# KiCad board Proyecto-KiCAD.kicad_pcb
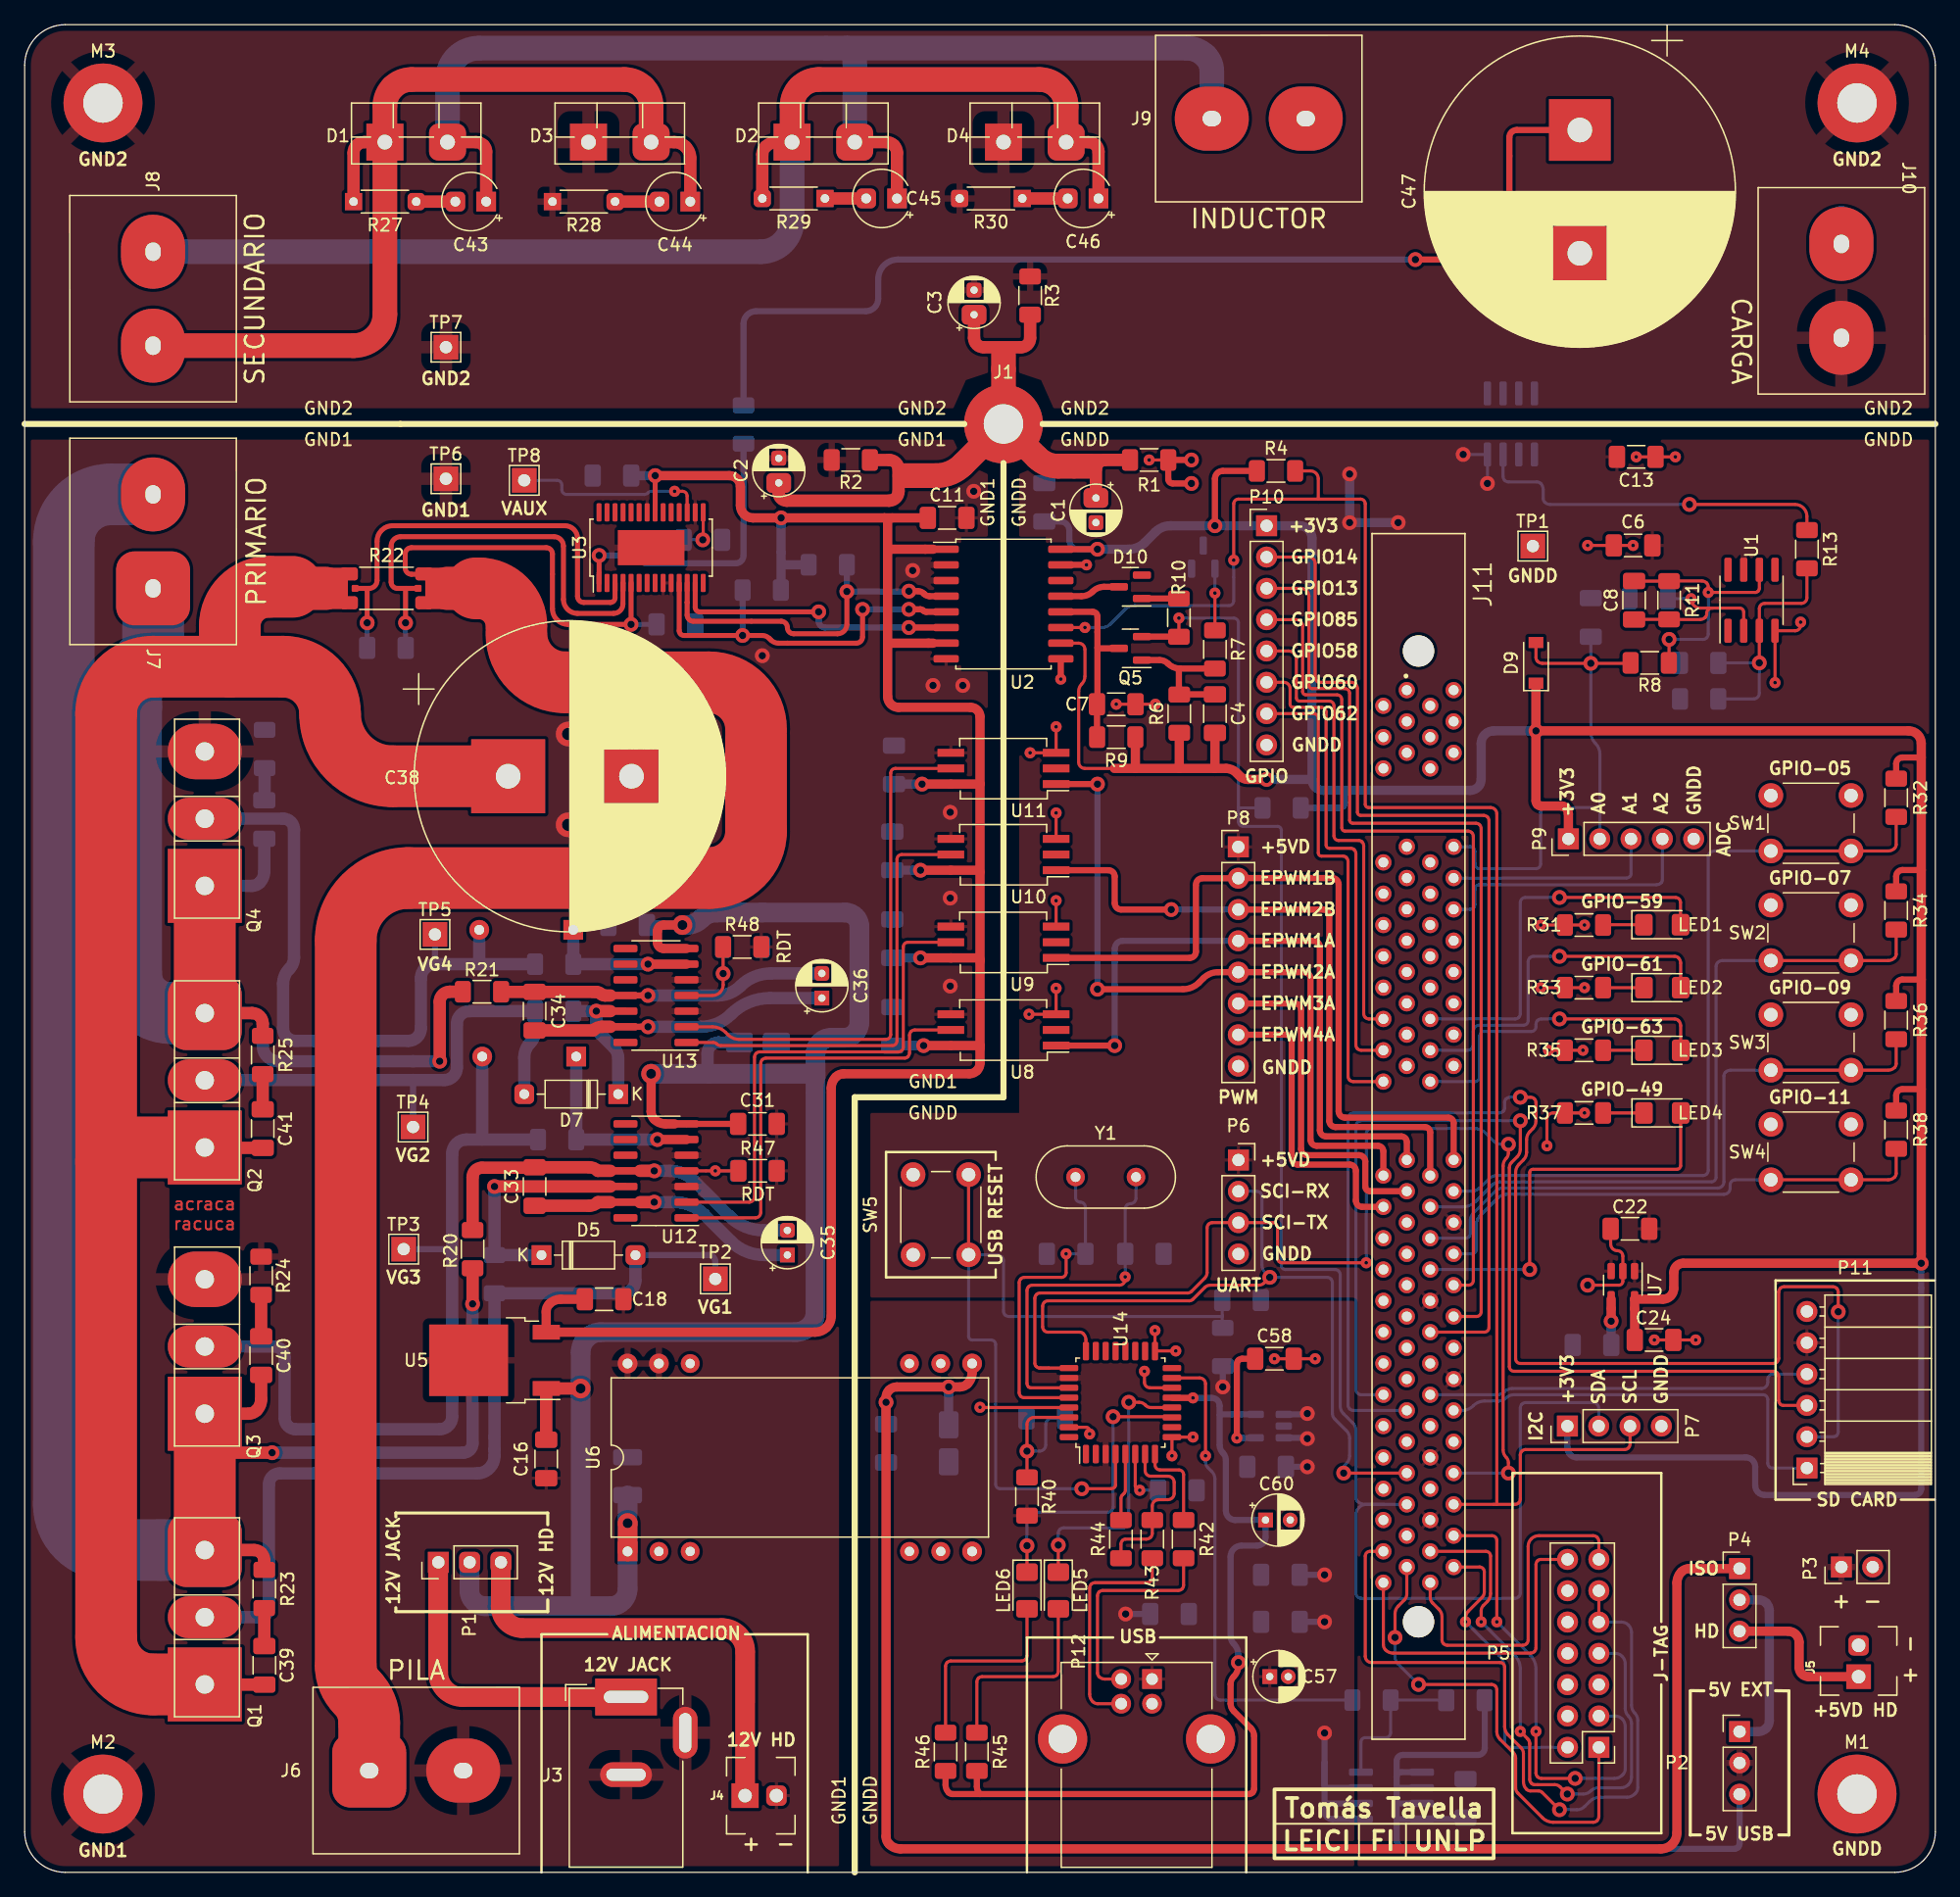
[diagram p0: board, top side]
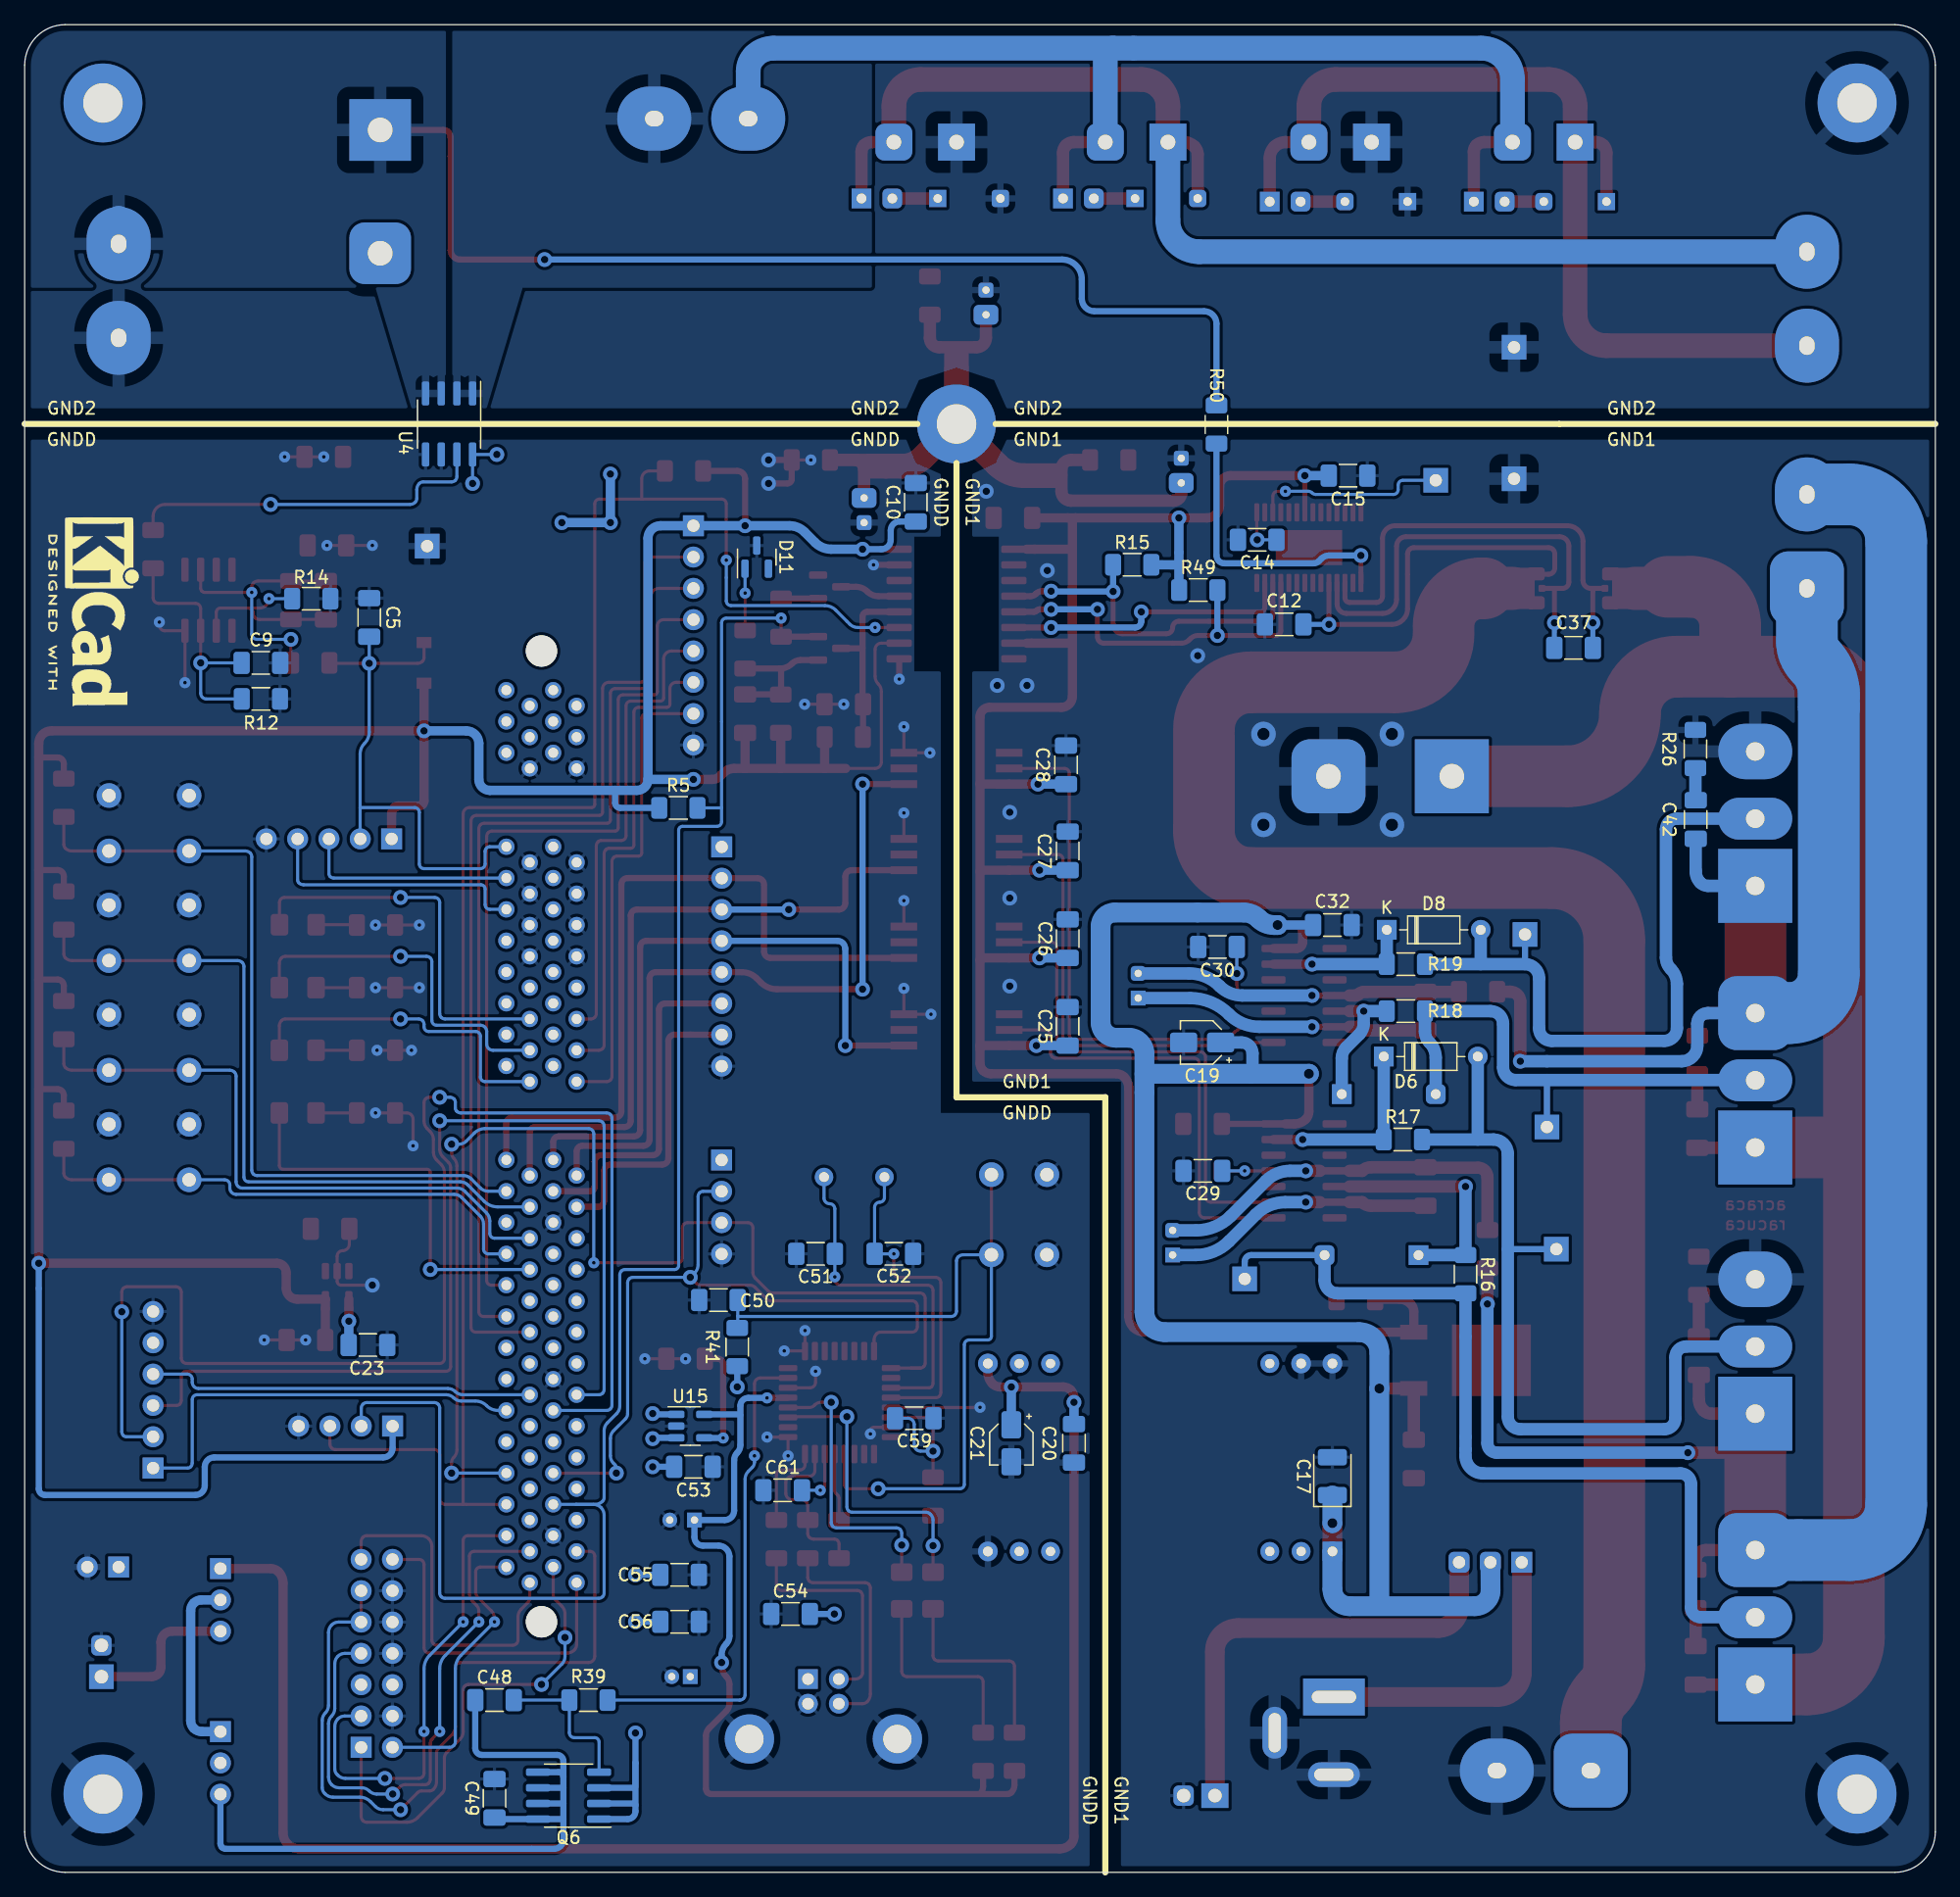
[diagram p1: board, bottom side, seen from below]

Outline 154.94 x 149.86 mm; copper layers: Top, Bottom. Coordinates in mm from the lower left corner of the outline.
Outline path: 0,146.56 0,3.3 arc(0.97,0.97) 3.3,0 151.64,0 arc(153.97,0.97) 154.94,3.3 154.94,146.56 arc(153.97,148.89) 151.64,149.86 3.3,149.86 arc(0.97,148.89) 0,146.56
Stack: Top 0.035mm / dielectric 1.51mm FR4 er 4.5 / Bottom 0.035mm

## Placement (name value [footprint] x y rotation side)
C1  C  [CP_Radial_D4.0mm_P2.00mm]  86.87 111.47 270 top
C2  C  [CP_Radial_D4.0mm_P2.00mm]  61.15 112.69 90 top
C3  C  [CP_Radial_D4.0mm_P2.00mm]  76.99 126.33 90 top
C4  1nF  [C_1206_3216Metric_Pad1.33x1.80mm_HandSolder]  96.52 93.98 90 top
C5  0.1uF  [C_1206_3216Metric_Pad1.33x1.80mm_HandSolder]  127 101.78 90 bottom
C6  0.1uF  [C_1206_3216Metric_Pad1.33x1.80mm_HandSolder]  130.43 107.62 180 top
C7  10pF  [C_1206_3216Metric_Pad1.33x1.80mm_HandSolder]  88.52 94.74 0 top
C8  47pF  [C_1206_3216Metric_Pad1.33x1.80mm_HandSolder]  130.51 103.18 90 top
C9  47pF  [C_1206_3216Metric_Pad1.33x1.80mm_HandSolder]  135.78 98.1 180 bottom
C10  0.1uF  [C_1206_3216Metric_Pad1.33x1.80mm_HandSolder]  82.68 111.13 90 bottom
C11  0.1uF  [C_1206_3216Metric_Pad1.33x1.80mm_HandSolder]  74.8 109.86 0 top
C12  10nF  [C_1206_3216Metric_Pad1.33x1.80mm_HandSolder]  52.81 101.22 0 bottom
C13  0.1uF  [C_1206_3216Metric_Pad1.33x1.80mm_HandSolder]  130.68 114.81 0 top
C14  1uF  [C_1206_3216Metric_Pad1.33x1.80mm_HandSolder]  54.99 108.08 0 bottom
C15  1uF  [C_1206_3216Metric_Pad1.33x1.80mm_HandSolder]  47.62 113.28 180 bottom
C16  0.33uF  [C_1206_3216Metric_Pad1.33x1.80mm_HandSolder]  42.29 33.53 270 top
C17  4.7uF  [CP_EIA-3528-12_Kemet-T]  48.89 32.13 90 bottom
C18  0.1uF  [C_1206_3216Metric_Pad1.33x1.80mm_HandSolder]  46.99 46.48 0 top
C19  4.7uF  [CP_Elec_3x5.4]  59.46 67.31 0 bottom
C20  0.1uF  [C_1206_3216Metric_Pad1.33x1.80mm_HandSolder]  69.85 34.8 270 bottom
C21  10uF  [CP_Elec_3x5.4]  74.93 34.8 270 bottom
C22  1uF  [C_1206_3216Metric_Pad1.33x1.80mm_HandSolder]  130.18 52.2 180 top
C23  10nF  [C_1206_3216Metric_Pad1.33x1.80mm_HandSolder]  127.1 42.77 180 bottom
C24  2.2uF  [C_1206_3216Metric_Pad1.33x1.80mm_HandSolder]  132.13 43.18 0 top
C25  0.1uF  [C_1206_3216Metric_Pad1.33x1.80mm_HandSolder]  70.37 68.62 90 bottom
C26  0.1uF  [C_1206_3216Metric_Pad1.33x1.80mm_HandSolder]  70.36 75.73 90 bottom
C27  0.1uF  [C_1206_3216Metric_Pad1.33x1.80mm_HandSolder]  70.36 82.85 90 bottom
C28  0.1uF  [C_1206_3216Metric_Pad1.33x1.80mm_HandSolder]  70.5 89.83 90 bottom
C29  10nF  [C_1206_3216Metric_Pad1.33x1.80mm_HandSolder]  59.4 56.9 0 bottom
C30  10nF  [C_1206_3216Metric_Pad1.33x1.80mm_HandSolder]  58.21 75.06 0 bottom
C31  1uF  [C_1206_3216Metric_Pad1.33x1.80mm_HandSolder]  59.42 60.71 180 top
C32  1uF  [C_1206_3216Metric_Pad1.33x1.80mm_HandSolder]  48.89 76.84 0 bottom
C33  0.2uF  [C_1206_3216Metric_Pad1.33x1.80mm_HandSolder]  41.35 55.63 90 top
C34  0.2uF  [C_1206_3216Metric_Pad1.33x1.80mm_HandSolder]  41.35 69.85 90 top
C35  3.3uF  [CP_Radial_D4.0mm_P2.00mm#2]  61.85 50.07 90 top
C36  3.3uF  [CP_Radial_D4.0mm_P2.00mm#2]  64.64 70.91 90 top
C37  0.1uF  [C_1206_3216Metric_Pad1.33x1.80mm_HandSolder]  29.34 99.31 180 bottom
C38  680uF  [CP_Radial_D25.0mm_P10.00mm_SnapIn#2]  39.21 88.9 0 top
C39  C  [C_1206_3216Metric_Pad1.33x1.80mm_HandSolder]  19.43 16.79 270 top
C40  C  [C_1206_3216Metric_Pad1.33x1.80mm_HandSolder]  19.18 41.91 270 top
C41  C  [C_1206_3216Metric_Pad1.33x1.80mm_HandSolder]  19.3 60.33 270 top
C42  C  [C_1206_3216Metric_Pad1.33x1.80mm_HandSolder]  19.43 85.39 270 bottom
C43  C  [CP_Radial_Tantal_D4.5mm_P2.50mm]  37.42 135.51 180 top
C44  C  [CP_Radial_Tantal_D4.5mm_P2.50mm]  53.98 135.51 180 top
C45  C  [CP_Radial_Tantal_D4.5mm_P2.50mm]  70.74 135.76 180 top
C46  C  [CP_Radial_Tantal_D4.5mm_P2.50mm]  87.08 135.76 180 top
C47  680uF  [CP_Radial_D25.0mm_P10.00mm_SnapIn]  126.11 141.32 270 top
C48  0.1uF  [C_1206_3216Metric_Pad1.33x1.80mm_HandSolder]  116.84 13.97 180 bottom
C49  0.1uF  [C_1206_3216Metric_Pad1.33x1.80mm_HandSolder]  116.84 6.01 90 bottom
C50  0.1uF  [C_1206_3216Metric_Pad1.33x1.80mm_HandSolder]  98.68 46.42 0 bottom
C51  27pF  [C_1206_3216Metric_Pad1.33x1.80mm_HandSolder]  90.81 50.17 0 bottom
C52  27pF  [C_1206_3216Metric_Pad1.33x1.80mm_HandSolder]  84.46 50.17 180 bottom
C53  1uF  [C_1206_3216Metric_Pad1.33x1.80mm_HandSolder]  100.71 32.89 180 bottom
C54  10nF  [C_1206_3216Metric_Pad1.33x1.80mm_HandSolder]  92.84 20.96 180 bottom
C55  0.1uF  [C_1206_3216Metric_Pad1.33x1.80mm_HandSolder]  101.83 24.13 0 bottom
C56  0.1uF  [C_1206_3216Metric_Pad1.33x1.80mm_HandSolder]  101.83 20.32 0 bottom
C57  10uF  [CP_Radial_D4.0mm_P1.50mm]  100.97 15.88 0 top
C58  10nF  [C_1206_3216Metric_Pad1.33x1.80mm_HandSolder]  101.35 41.66 0 top
C59  0.1uF  [C_1206_3216Metric_Pad1.33x1.80mm_HandSolder]  82.8 36.83 0 bottom
C60  2.2uF  [CP_Radial_D4.0mm_P2.00mm#3]  100.63 28.58 0 top
C61  33nF  [C_1206_3216Metric_Pad1.33x1.80mm_HandSolder]  93.47 30.99 180 bottom
D1  MUR860  [TO-220F-2_Vertical]  29.21 140.34 0 top
D2  MUR860  [TO-220F-2_Vertical]  62.23 140.34 0 top
D3  MUR860  [TO-220F-2_Vertical]  45.72 140.34 0 top
D4  MUR860  [TO-220F-2_Vertical]  79.38 140.34 0 top
D5  1N4148  [D_DO-35_SOD27_P7.62mm_Horizontal]  41.91 50.06 0 top
D6  1N4148  [D_DO-35_SOD27_P7.62mm_Horizontal#2]  44.73 66.17 180 bottom
D7  1N4148  [D_DO-35_SOD27_P7.62mm_Horizontal]  48.13 63.12 180 top
D8  1N4148  [D_DO-35_SOD27_P7.62mm_Horizontal#2]  44.48 76.45 180 bottom
D9  MBR0520  [D_SOD-123]  122.56 98.1 90 top
D10  BAS40-04  [SOT-23]  89.66 104.27 180 top
D11  BAS40-04  [SOT-23]  95.58 106.68 90 bottom
J1  Common_GND  [MountingHole_3.2mm_M3_Pad]  79.38 117.48 0 top
J3  Barrel_Jack_Switch  [BarrelJack_GCT_DCJ200-10-A_Horizontal]  48.77 14.22 0 top
J4  VDDA Header  [Phoenix-Contact-2P#2]  58.42 6.22 0 top
J5  +5VD Header  [Phoenix-Contact-2P]  148.72 15.87 90 top
J6  ConnPila  [Degson_Screw_Terminal_block_01x02#2]  31.75 8.26 0 top
J7  ConnTrafoP  [Degson_Screw_Terminal_block_01x02#3]  10.41 107.95 270 top
J8  ConnTrafoS  [Degson_Screw_Terminal_block_01x02]  10.41 127.64 90 top
J9  ConnLf  [Degson_Screw_Terminal_block_01x02]  100.08 142.24 0 top
J10  ConnCarga  [Degson_Screw_Terminal_block_01x02]  147.32 128.27 270 top
J11  DIMM100  [TE_5390213-1]  113.03 59.69 270 top
LED1  Led smd  [D_1206_3216Metric_Pad1.42x1.75mm_HandSolder]  132.79 76.86 0 top
LED2  Led smd  [D_1206_3216Metric_Pad1.42x1.75mm_HandSolder]  132.8 71.76 0 top
LED3  Led smd  [D_1206_3216Metric_Pad1.42x1.75mm_HandSolder]  132.8 66.68 0 top
LED4  Led smd  [D_1206_3216Metric_Pad1.42x1.75mm_HandSolder]  132.8 61.6 0 top
LED5  Led smd  [D_1206_3216Metric_Pad1.42x1.75mm_HandSolder]  83.82 22.86 270 top
LED6  Led smd  [D_1206_3216Metric_Pad1.42x1.75mm_HandSolder]  81.28 22.86 270 top
M1  -  [MountingHole_3.2mm_M3_Pad]  148.59 6.35 0 top
M2  MountingHole_3.2mm_M3_Pad  [MountingHole_3.2mm_M3_Pad#2]  6.35 6.35 0 top
M3  MountingHole_3.2mm_M3_Pad  [MountingHole_3.2mm_M3_Pad#3]  6.35 143.51 0 top
M4  MountingHole_3.2mm_M3_Pad  [MountingHole_3.2mm_M3_Pad#4]  148.59 143.51 0 top
P1  SW_SPDT  [PinHeader_1x03_P2.54mm_Vertical#2]  33.54 25.15 90 top
P2  SW_SPDT  [PinHeader_1x03_P2.54mm_Vertical]  139.06 11.42 0 top
P3  5V Header  [PinHeader_1x02_P2.54mm_Vertical]  147.32 24.77 90 top
P4  Jumper 2  [PinHeader_1x03_P2.54mm_Vertical]  139.06 24.64 0 top
P5  Header 7X2  [PinSocket_2x07_P2.54mm_Vertical]  127.66 25.38 0 top
P6  Header UART  [PinSocket_1x04_P2.54mm_Vertical]  98.43 57.78 0 top
P7  Header I2C  [PinHeader_1x04_P2.54mm_Vertical]  125.11 36.2 90 top
P8  Header PWM  [PinHeader_1x08_P2.54mm_Vertical]  98.42 83.17 0 top
P9  Header ADC  [PinHeader_1x05_P2.54mm_Vertical]  125.19 83.82 90 top
P10  Header GPIO  [PinHeader_1x08_P2.54mm_Vertical]  100.71 109.22 0 top
P11  Header SD  [PinSocket_1x06_P2.54mm_Horizontal]  144.53 32.79 180 top
P12  USB-B  [USB_B_Lumberg_2411_02_Horizontal]  91.42 15.68 270 top
Q1  IRFP150  [TO-247-3_Vertical#2]  14.6 15.24 90 top
Q2  IRFP150  [TO-247-3_Vertical#2]  14.6 58.79 90 top
Q3  IRFP150  [TO-247-3_Vertical]  14.6 37.2 90 top
Q4  IRFP150  [TO-247-3_Vertical]  14.6 80.01 90 top
Q5  MMBT3904  [SOT-23]  89.67 99.28 180 top
Q6  IRF7425  [SOIC-8_3.9x4.9mm_P1.27mm]  110.84 6.22 0 bottom
R1  R  [R_1206_3216Metric_Pad1.30x1.75mm_HandSolder]  91.19 114.55 0 top
R2  R  [R_1206_3216Metric_Pad1.30x1.75mm_HandSolder]  66.99 114.55 180 top
R3  R  [R_1206_3216Metric_Pad1.30x1.75mm_HandSolder]  81.53 127.89 270 top
R4  4.7k  [R_1206_3216Metric_Pad1.30x1.75mm_HandSolder]  101.47 113.67 0 top
R5  4.7k  [R_1206_3216Metric_Pad1.30x1.75mm_HandSolder]  101.93 86.33 180 bottom
R6  2.49k  [R_1206_3216Metric_Pad1.30x1.75mm_HandSolder]  93.63 93.98 90 top
R7  612  [R_1206_3216Metric_Pad1.30x1.75mm_HandSolder]  96.52 99.19 90 top
R8  22  [R_1206_3216Metric_Pad1.30x1.75mm_HandSolder]  131.78 98.1 180 top
R9  3.12k  [R_1206_3216Metric_Pad1.30x1.75mm_HandSolder]  88.52 92.08 0 top
R10  84.5  [R_1206_3216Metric_Pad1.30x1.75mm_HandSolder]  93.6 101.77 90 top
R11  27.4k  [R_1206_3216Metric_Pad1.30x1.75mm_HandSolder]  133.35 103.18 90 top
R12  27.4k  [R_1206_3216Metric_Pad1.30x1.75mm_HandSolder]  135.78 95.17 180 bottom
R13  16.5k  [R_1206_3216Metric_Pad1.30x1.75mm_HandSolder]  144.53 107.32 270 top
R14  16.5k  [R_1206_3216Metric_Pad1.30x1.75mm_HandSolder]  131.7 103.3 0 bottom
R15  4.7k  [R_1206_3216Metric_Pad1.30x1.75mm_HandSolder]  65.12 106.06 0 bottom
R16  5.6  [R_1206_3216Metric_Pad1.30x1.75mm_HandSolder]  38.1 48.51 270 bottom
R17  5.6  [R_1206_3216Metric_Pad1.30x1.75mm_HandSolder]  43.18 59.44 180 bottom
R18  5.6  [R_1206_3216Metric_Pad1.30x1.75mm_HandSolder]  42.94 69.85 180 bottom
R19  5.6  [R_1206_3216Metric_Pad1.30x1.75mm_HandSolder]  42.94 73.66 180 bottom
R20  2  [R_1206_3216Metric_Pad1.30x1.75mm_HandSolder]  36.32 50.55 270 top
R21  2  [R_1206_3216Metric_Pad1.30x1.75mm_HandSolder]  37.08 71.42 180 top
R22  0.004  [R_Shunt_Vishay_WSK2512_6332Metric_T2.21mm]  29.34 104.14 180 top
R23  R  [R_1206_3216Metric_Pad1.30x1.75mm_HandSolder]  19.43 22.99 270 top
R24  R  [R_1206_3216Metric_Pad1.30x1.75mm_HandSolder]  19.18 48.39 270 top
R25  R  [R_1206_3216Metric_Pad1.30x1.75mm_HandSolder]  19.3 66.29 270 top
R26  R  [R_1206_3216Metric_Pad1.30x1.75mm_HandSolder]  19.46 91.11 270 bottom
R27  R  [R_Axial_DIN0204_L3.6mm_D1.6mm_P5.08mm_Horizontal]  26.67 135.51 0 top
R28  R  [R_Axial_DIN0204_L3.6mm_D1.6mm_P5.08mm_Horizontal]  42.8 135.51 0 top
R29  R  [R_Axial_DIN0204_L3.6mm_D1.6mm_P5.08mm_Horizontal]  64.9 135.76 180 top
R30  R  [R_Axial_DIN0204_L3.6mm_D1.6mm_P5.08mm_Horizontal]  80.9 135.76 180 top
R31  220  [R_1206_3216Metric_Pad1.30x1.75mm_HandSolder]  126.45 76.84 180 top
R32  1k  [R_1206_3216Metric_Pad1.30x1.75mm_HandSolder]  151.77 87.16 90 top
R33  220  [R_1206_3216Metric_Pad1.30x1.75mm_HandSolder]  126.45 71.76 180 top
R34  1k  [R_1206_3216Metric_Pad1.30x1.75mm_HandSolder]  151.77 78.01 90 top
R35  220  [R_1206_3216Metric_Pad1.30x1.75mm_HandSolder]  126.45 66.68 180 top
R36  1k  [R_1206_3216Metric_Pad1.30x1.75mm_HandSolder]  151.77 69.12 90 top
R37  220  [R_1206_3216Metric_Pad1.30x1.75mm_HandSolder]  126.45 61.6 180 top
R38  1k  [R_1206_3216Metric_Pad1.30x1.75mm_HandSolder]  151.77 60.23 90 top
R39  1k  [R_1206_3216Metric_Pad1.30x1.75mm_HandSolder]  109.22 13.97 0 bottom
R40  470  [R_1206_3216Metric_Pad1.30x1.75mm_HandSolder]  81.28 30.48 270 top
R41  1k  [R_1206_3216Metric_Pad1.30x1.75mm_HandSolder]  97.16 42.61 270 bottom
R42  27  [R_1206_3216Metric_Pad1.30x1.75mm_HandSolder]  93.98 27.03 90 top
R43  27  [R_1206_3216Metric_Pad1.30x1.75mm_HandSolder]  91.44 27.03 90 top
R44  1k5  [R_1206_3216Metric_Pad1.30x1.75mm_HandSolder]  88.9 27.03 90 top
R45  220  [R_1206_3216Metric_Pad1.30x1.75mm_HandSolder]  77.22 9.78 90 top
R46  220  [R_1206_3216Metric_Pad1.30x1.75mm_HandSolder]  74.68 9.78 90 top
R47  0  [R_1206_3216Metric_Pad1.30x1.75mm_HandSolder]  59.44 56.9 0 top
R48  0  [R_1206_3216Metric_Pad1.30x1.75mm_HandSolder]  58.18 75.06 0 top
R49  4.7k  [R_1206_3216Metric_Pad1.30x1.75mm_HandSolder]  59.77 104 180 bottom
R50  0  [R_1206_3216Metric_Pad1.30x1.75mm_HandSolder]  58.29 117.43 270 bottom
REF**  -  [KiCad-Logo2_6mm_SilkScreen]  148.65 102.24 270 bottom
SW1  Switch  [SW_PUSH_6mm]  141.61 87.34 0 top
SW2  Switch  [SW_PUSH_6mm]  141.61 78.45 0 top
SW3  Switch  [SW_PUSH_6mm]  141.61 69.56 0 top
SW4  Switch  [SW_PUSH_6mm]  141.61 60.67 0 top
SW5  Switch  [SW_PUSH_6mm]  72.05 50.09 90 top
TP1  TP-GNDD  [TestPoint_THTPad_2.0x2.0mm_Drill1.0mm]  122.3 107.57 0 top
TP2  TP-VG1  [TestPoint_THTPad_2.0x2.0mm_Drill1.0mm]  56.01 48.13 0 top
TP3  TP-VG3  [TestPoint_THTPad_2.0x2.0mm_Drill1.0mm]  30.73 50.55 0 top
TP4  TP-VG2  [TestPoint_THTPad_2.0x2.0mm_Drill1.0mm]  31.5 60.45 0 top
TP5  TP-VG4  [TestPoint_THTPad_2.0x2.0mm_Drill1.0mm]  33.27 76.07 0 top
TP6  TP-GND1  [TestPoint_THTPad_2.0x2.0mm_Drill1.0mm]  34.16 113.03 0 top
TP7  TP-GND2  [TestPoint_THTPad_2.0x2.0mm_Drill1.0mm]  34.16 123.7 0 top
TP8  VAUX  [TestPoint_THTPad_2.0x2.0mm_Drill1.0mm]  40.51 112.9 0 top
U1  OPA365xxD  [SOIC-8_3.9x4.9mm_P1.27mm]  140.03 103.18 90 top
U2  ISO7242C  [SOIC-16W_7.5x10.3mm_P1.27mm]  79.38 102.87 0 top
U3  LM5056APMH/NOPB  [HTSSOP-28-1EP_4.4x9.7mm_P0.65mm_EP2.85x5.4mm]  50.8 107.44 90 top
U4  TMCS1100A4  [SOIC-8_3.9x4.9mm_P1.27mm]  120.52 117.48 270 bottom
U5  LM7805_TO252  [TO-252-2]  38.1 41.53 180 top
U6  THB3-1211  [DIP-24_W15.24mm]  48.89 26.03 90 top
U7  LP2985-3.3  [SOT-23-5]  129.6 47.63 270 top
U8  ACPL-P480  [SSO-6_6.8x4.6mm_P1.27mm_Clearance7mm]  79.38 68.33 180 top
U9  ACPL-P480  [SSO-6_6.8x4.6mm_P1.27mm_Clearance7mm]  79.38 75.44 180 top
U10  ACPL-P480  [SSO-6_6.8x4.6mm_P1.27mm_Clearance7mm]  79.38 82.55 180 top
U11  ACPL-P480  [SSO-6_6.8x4.6mm_P1.27mm_Clearance7mm]  79.38 89.54 180 top
U12  2ED21834-S06J  [SO-14_3.9x8.65mm_P1.27mm]  51.19 56.9 180 top
U13  2ED21834-S06J  [SO-14_3.9x8.65mm_P1.27mm]  51.19 71.12 180 top
U14  FT232BL  [LQFP-32_7x7mm_P0.8mm]  88.86 38.1 90 top
U15  LP2985-3.3  [SOT-23-5]  100.97 36.2 180 bottom
Y1  6 MHz  [Crystal_HC18-U_Vertical]  90.12 56.4 180 top

## Footprints (pads in the part's own frame, mm; a bottom-side part is the same pattern mirrored in y, then rotated)
BarrelJack_GCT_DCJ200-10-A_Horizontal
  rect 5x3 hole 3.6x1: 1(0,0)
  oval 4.2x2 hole 3.2x1: 2(0,-6.3)
  oval 2x4.2 hole 1x3.2: 3(4.8,-2.9)
C_1206_3216Metric_Pad1.33x1.80mm_HandSolder
  rrect 1.325x1.8 smd: 1(-1.562,0) 2(1.562,0)
CP_EIA-3528-12_Kemet-T
  rrect 1.325x2.35 smd: 1(-1.538,0) 2(1.538,0)
CP_Elec_3x5.4
  rrect 2.2x1.6 smd: 1(-1.5,0) 2(1.5,0)
CP_Radial_D4.0mm_P1.50mm
  rect 1.2x1.2 hole 0.6: 1(0,0)
  round 1.2 hole 0.6: 2(1.5,0)
CP_Radial_D4.0mm_P2.00mm
  rrect 1.6x2 hole 0.6: 1(0,0)
  rrect 1.2x1.2 hole 0.6: 2(2,0)
CP_Radial_D4.0mm_P2.00mm#2
  rect 1.2x1.2 hole 0.6: 1(0,0)
  rrect 1.2x1.2 hole 0.6: 2(2,0)
CP_Radial_D4.0mm_P2.00mm#3
  rect 1.2x1.2 hole 0.6: 1(0,0)
  round 1.2 hole 0.6: 2(2,0)
CP_Radial_D25.0mm_P10.00mm_SnapIn
  rect 5x5 hole 2: 1(0,0)
  rrect 5x5 hole 2: 2(10,0)
CP_Radial_D25.0mm_P10.00mm_SnapIn#2
  rect 6x6 hole 2: 1(0,0)
  rrect 6x6 hole 2: 2(10,0)
CP_Radial_Tantal_D4.5mm_P2.50mm
  rect 1.6x1.6 hole 0.8: 1(0,0)
  rrect 1.6x1.6 hole 0.8: 2(2.5,0)
Crystal_HC18-U_Vertical
  round 1.5 hole 0.8: 1(0,0) 2(4.9,0)
D_1206_3216Metric_Pad1.42x1.75mm_HandSolder
  rrect 1.425x1.75 smd: 1(-1.488,0) 2(1.488,0)
D_DO-35_SOD27_P7.62mm_Horizontal
  rect 1.6x1.6 hole 0.8: 1(0,0)
  rrect 1.6x1.6 hole 0.8: 2(7.62,0)
D_DO-35_SOD27_P7.62mm_Horizontal#2
  rect 1.6x1.6 hole 0.8: 1(0,0)
  oval 1.6x1.6 hole 0.8: 2(7.62,0)
D_SOD-123
  rect 0.9x1.2 smd: 1(-1.65,0) 2(1.65,0)
Degson_Screw_Terminal_block_01x02
  oval 6x5.2 hole 1.5x1.25: 1(-3.81,0) 2(3.81,0)
Degson_Screw_Terminal_block_01x02#2
  rrect 6x6 hole 1.5x1.25: 1(-3.81,0)
  oval 6x5.2 hole 1.5x1.25: 2(3.81,0)
Degson_Screw_Terminal_block_01x02#3
  oval 6x5.2 hole 1.5x1.25: 1(-3.81,0)
  rrect 6x6 hole 1.5x1.25: 2(3.81,0)
DIP-24_W15.24mm
  rect 1.6x1.6 hole 0.8: 1(0,0)
  round 1.524 hole 0.762: 2(0,-2.54) 3(0,-5.08) 10(0,-22.86) 11(0,-25.4) 14(15.24,-25.4) 15(15.24,-22.86) 22(15.24,-5.08)
  oval 1.6x1.6 hole 0.8: 12(0,-27.94) 13(15.24,-27.94) 23(15.24,-2.54) 24(15.24,0)
HTSSOP-28-1EP_4.4x9.7mm_P0.65mm_EP2.85x5.4mm
  rrect 2.3x4.35 smd: (0,0)
  rrect 1.475x0.4 smd: 1(-2.862,4.225) 2(-2.862,3.575) 3(-2.862,2.925) 4(-2.862,2.275) 5(-2.862,1.625) 6(-2.862,0.975) 7(-2.862,0.325) 8(-2.862,-0.325) 9(-2.862,-0.975) 10(-2.862,-1.625) 11(-2.862,-2.275) 12(-2.862,-2.925) 13(-2.862,-3.575) 14(-2.862,-4.225) 15(2.862,-4.225) 16(2.862,-3.575) 17(2.862,-2.925) 18(2.862,-2.275) 19(2.862,-1.625) 20(2.862,-0.975) 21(2.862,-0.325) 22(2.862,0.325) 23(2.862,0.975) 24(2.862,1.625) 25(2.862,2.275) 26(2.862,2.925) 27(2.862,3.575) 28(2.862,4.225)
  rect 2.85x5.4 smd: 29(0,0)
LQFP-32_7x7mm_P0.8mm
  rrect 1.5x0.5 smd: 1(-4.175,2.8) 2(-4.175,2) 3(-4.175,1.2) 4(-4.175,0.4) 5(-4.175,-0.4) 6(-4.175,-1.2) 7(-4.175,-2) 8(-4.175,-2.8) 17(4.175,-2.8) 18(4.175,-2) 19(4.175,-1.2) 20(4.175,-0.4) 21(4.175,0.4) 22(4.175,1.2) 23(4.175,2) 24(4.175,2.8)
  rrect 0.5x1.5 smd: 9(-2.8,-4.175) 10(-2,-4.175) 11(-1.2,-4.175) 12(-0.4,-4.175) 13(0.4,-4.175) 14(1.2,-4.175) 15(2,-4.175) 16(2.8,-4.175) 25(2.8,4.175) 26(2,4.175) 27(1.2,4.175) 28(0.4,4.175) 29(-0.4,4.175) 30(-1.2,4.175) 31(-2,4.175) 32(-2.8,4.175)
MountingHole_3.2mm_M3_Pad
  round 6.4 hole 3.2: 1(0,0)
MountingHole_3.2mm_M3_Pad#2
  round 6.4 hole 3.2: 2(0,0)
MountingHole_3.2mm_M3_Pad#3
  round 6.4 hole 3.2: 3(0,0)
MountingHole_3.2mm_M3_Pad#4
  round 6.4 hole 3.2: 4(0,0)
Phoenix-Contact-2P
  rect 2x2 hole 1.1: 1(0,0)
  rrect 1.65x1.65 hole 1.1: 2(2.54,0)
Phoenix-Contact-2P#2
  rect 2.2x2 hole 1.1: 1(0,0)
  rrect 1.65x1.65 hole 1.1: 2(2.54,0)
PinHeader_1x02_P2.54mm_Vertical
  rect 1.7x1.7 hole 1: 1(0,0)
  oval 1.7x1.7 hole 1: 2(0,-2.54)
PinHeader_1x03_P2.54mm_Vertical
  rect 1.7x1.7 hole 1: 1(0,0)
  oval 1.7x1.7 hole 1: 2(0,-2.54) 3(0,-5.08)
PinHeader_1x03_P2.54mm_Vertical#2
  rect 1.7x1.7 hole 1: 1(0,0)
  rrect 1.7x1.7 hole 1: 2(0,-2.54) 3(0,-5.08)
PinHeader_1x04_P2.54mm_Vertical
  rect 1.7x1.7 hole 1: 1(0,0)
  oval 1.7x1.7 hole 1: 2(0,-2.54) 3(0,-5.08) 4(0,-7.62)
PinHeader_1x05_P2.54mm_Vertical
  rect 1.7x1.7 hole 1: 1(0,0)
  oval 1.7x1.7 hole 1: 2(0,-2.54) 3(0,-5.08) 4(0,-7.62) 5(0,-10.16)
PinHeader_1x08_P2.54mm_Vertical
  rect 1.7x1.7 hole 1: 1(0,0)
  oval 1.7x1.7 hole 1: 2(0,-2.54) 3(0,-5.08) 4(0,-7.62) 5(0,-10.16) 6(0,-12.7) 7(0,-15.24) 8(0,-17.78)
PinSocket_1x04_P2.54mm_Vertical
  rect 1.7x1.7 hole 1: 1(0,0)
  oval 1.7x1.7 hole 1: 2(0,-2.54) 3(0,-5.08) 4(0,-7.62)
PinSocket_1x06_P2.54mm_Horizontal
  rect 1.7x1.7 hole 1: 1(0,0)
  oval 1.7x1.7 hole 1: 2(0,-2.54) 3(0,-5.08) 4(0,-7.62) 5(0,-10.16) 6(0,-12.7)
PinSocket_2x07_P2.54mm_Vertical
  rect 1.7x1.7 hole 1: 1(0,-15.24)
  oval 1.7x1.7 hole 1: 2(-2.54,-15.24) 3(0,-12.7) 4(-2.54,-12.7) 5(0,-10.16) 6(-2.54,-10.16) 7(0,-7.62) 8(-2.54,-7.62) 9(0,-5.08) 10(-2.54,-5.08) 11(0,-2.54) 12(-2.54,-2.54) 13(0,0) 14(-2.54,0)
R_1206_3216Metric_Pad1.30x1.75mm_HandSolder
  rrect 1.3x1.75 smd: 1(-1.55,0) 2(1.55,0)
R_Axial_DIN0204_L3.6mm_D1.6mm_P5.08mm_Horizontal
  rect 1.4x1.4 hole 0.7: 1(0,0)
  rrect 1.4x1.4 hole 0.7: 2(5.08,0)
R_Shunt_Vishay_WSK2512_6332Metric_T2.21mm